# Altium PCB N-CW7Rev00_FrontAndBackHousing.PcbDoc (part 2 of 4) (continued)
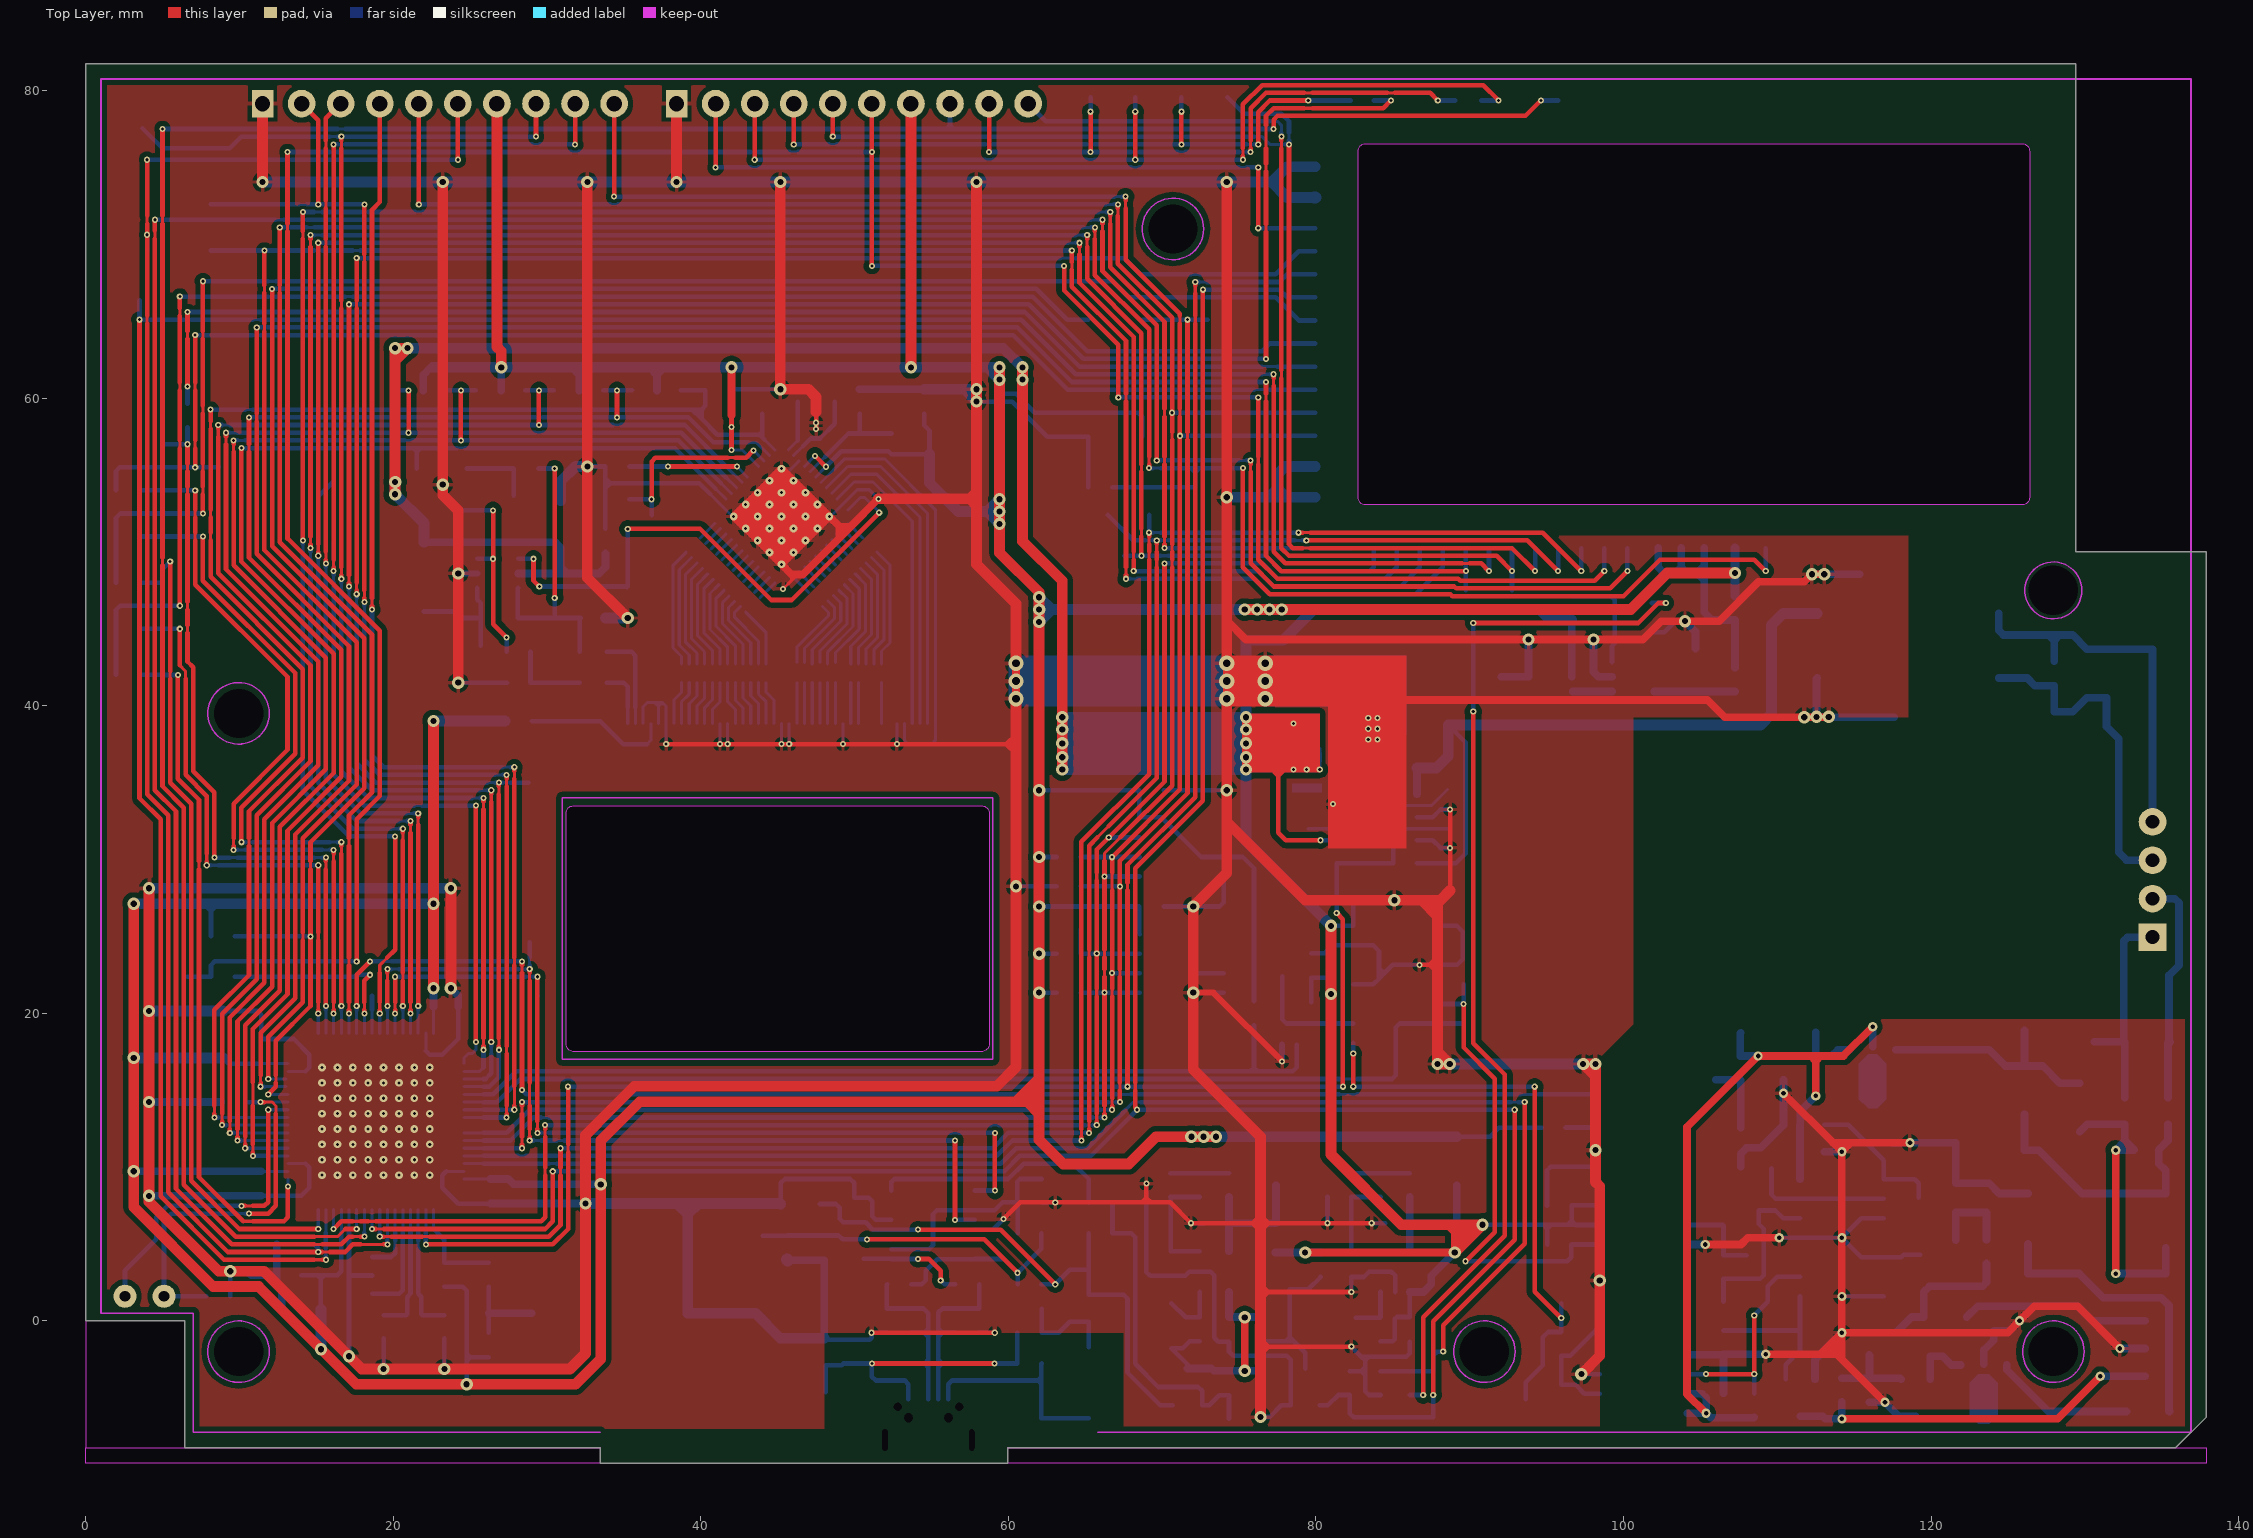
[diagram p0: Top Layer view]
## Nets (pads, with @x,y where several pads share a name; then routed paths per layer and width w, separated by ;. In a path a pad name is that pad's centre, name@x,y a point inside that pad or via, vN(x,y) a via of type N, cw(c..) or ccw(c..) an arc to the next point about the centre after c; other vN are vias at no path point) (continued)
3V3WIFI: C81.2 R106.2 U35.5 | length 5.3
  Bottom Layer w0.5: U35.5@102,40.925 R106.2@107.25,40.925
4V: C16.2 D3.2 R11.2 TP71.1 U5.5 | length 9.1
  Bottom Layer w0.5: U5.5@86.1,4.525 C16.2@86.1,6.35 ; R11.2@86.1,8.05 C16.2@86.1,6.35 ; D3.2@89.15,8.825 TP71.1@89.15,6.35 C16.2@86.1,6.35
4VUSB: C18.2 D4.2 R16.2 TP70.1 U6.5 | length 9.1
  Bottom Layer w0.5: U6.5@74.35,4.525 C18.2@74.35,6.35 ; R16.2@74.35,8.05 C18.2@74.35,6.35 ; D4.2@77.4,8.825 TP70.1@77.4,6.35 C18.2@74.35,6.35
5V: C17.2 C35.1 C36.1 C50.2 C52.1 C61.2 C79.1 C82.2 C83.1 L4.2 Q7.3 R50.1 R94.1 R99.1 R100.2 TP74.1 U5.1 U15.7 U15.8 U17.14 U22.7 U22.8 U22.9 U23.5 U34.5 U35.1 | length 276.2
  Top Layer w0.3: 77.3,35.7 77.55,35.45 ; 77.85,35.75 77.55,35.45 ; v1(78.55,38.85) 77.8,38.85 77.55,38.6 77.55,35.45 ; v1(80.3,31.25) 78.05,31.25 77.55,31.75 77.55,35.45
  Top Layer w0.5: v2(75.45,35.85) v2(75.45,37.55) v2(75.45,38.45) v2(75.45,39.25) ; v2(79.3,4.45) v2(89.025,4.45) 89.025,5.75 88.525,6.25
  Top Layer w0.7: v2(20.125,53.75) v2(20.125,54.55) 20.125,62.45 ; v2(60.925,62) v2(60.925,61.2) 60.925,50.7 63.501,48.124 63.5,48.123 v2(63.5,36.65) v2(63.5,35.85) ; v2(80.975,25.685) v2(80.975,21.25) 80.975,10.825 85.55,6.25 88.525,6.25 v2(90.825,6.25) v2(89.025,4.45) ; 20.125,62.45 v2(20.125,63.25) v2(20.925,63.25) 20.125,62.45
  Bottom Layer w0.2: v1@78.55,35.8 v1(78.55,35.85) U22.7@78.55,37.2 v1@78.55,38.8 ; v1(78.55,38.85) 79.8,38.85 ; v1(79.4,35.85) U22.8@79.4,37.2 ; v1(80.25,35.85) U22.9@80.25,37.2
  Bottom Layer w0.3: U23.5@79.7,20.71 C83.1@79.7,22.3 80.675,22.3 80.975,22 v2(80.975,21.25) ; v1(80.3,31.25) R94.1@81.3,31.25 ; v2(80.975,25.685) U17.14@82.39,25.685 ; U17.14@82.425,25.685 C52.1@82.425,27.35 ; R99.1@84.2,-1.325 85,-1.325 85.125,-1.2 85.125,0.125 85.25,0.25 C17.2@86.1,0.25 U5.1@86.1,1.875 ; v2(90.825,6.25) 94.8,6.25 ; R50.1@95.05,4.95 95.05,6 ; U15.7@98.45,6.235 96.89,6.235 96.875,6.25 ; U15.8@98.45,7.505 96.63,7.505 C50.2@96.625,7.5 96.625,6.5 ; 94.8,6.25 95.05,6 ; 94.8,6.25 95.3,6.25 ; 95.05,6 95.3,6.25 ; 95.3,6.25 96.375,6.25 ; 96.375,6.25 96.625,6.5 ; 96.375,6.25 96.875,6.25 ; 96.625,6.5 96.875,6.25
  Bottom Layer w0.5: L4.2@22,50.625 30.55,50.625 C35.1@30.9,50.275 30.9,49 ; U34.5@28.125,48.6 30.5,48.6 ; C36.1@33.8,49.9 33.8,49 33.4,48.6 31.3,48.6 ; Q7.3@77.35,4.45 v2(79.3,4.45) C79.1@80.3,4.45 ; U5.1@86.1,1.875 87,1.875 87.5,2.375 87.5,2.925 v2(89.025,4.45) ; C82.2@96.625,41.875 R100.2@96.625,45.575 ; C82.2@96.7,40.925 U35.1@99.25,40.925 ; 30.5,48.6 31.3,48.6 ; 30.5,48.6 30.9,49 ; 30.9,49 31.3,48.6
  Bottom Layer w0.7: v2(20.125,54.55) v2(20.125,53.75) 22,51.875 L4.2@22,50.625 ; v2(20.125,63.25) v2(20.925,63.25) 59.675,63.25 v2(60.925,62) v2(60.925,61.2) ; v2(80.975,25.685) 75.45,31.21 v2(75.45,35.85) ; R100.2@96.625,45.575 95.25,45.575 94.575,46.25 79.85,46.25 77.85,44.25 TP74.1@75.45,44.25 v2(75.45,39.25) ; v2(75.45,35.85) v2(75.45,37.55) v2(75.45,38.45) v2(75.45,39.25) ; v2(75.45,35.85) v2(63.5,35.85) v2(63.5,39.25) v2(75.45,39.25)
  other v2: 75.45,36.65 63.5,37.55 63.5,38.45
5VUSB: C19.2 C20.1 C21.2 Q1.3 Q7.2 R19.1 R21.1 TP67.1 U6.1 | length 17.6
  Top Layer w0.5: v2(75.375,-3.25) v2(75.375,0.225)
  Bottom Layer w0.3: Q1.3@71.65,-3.1 71.65,-2.825 TP67.1@70.6,-1.775 71.35,-1.775 71.8,-1.325 R19.1@72.45,-1.325 ; R21.1@76.375,0.25 R21.1@76.4,0.225
  Bottom Layer w0.5: Q1.3@71.65,-3.1 73.2,-3.1 73.35,-3.25 C21.2@74.35,-3.25 v2(75.375,-3.25) C20.1@76.375,-3.25 ; U6.1@74.35,1.875 C19.2@74.35,0.25 R21.1@76.375,0.25 ; R21.1@76.4,0.225 Q7.2@76.4,2.05
5VUSB_CON: M1.A9 Q6.1 R20.2 TP32.1 U1.9 | length 174.5
  Top Layer w0.2: 18.875,5.975 19.375,5.975 ; 68.25,14.975 68.25,15.475
  Top Layer w0.3: v1(18.625,5.975) 18.875,5.975 ; 19.375,5.975 24,5.975 29.875,5.975 30.375,6.475 v1(30.375,9.725) ; 68.25,14.975 68.25,13.85 v1(68.375,13.725) ; 68.25,15.475 68.25,29.425 72.65,33.825 v1(72.65,67.05) ; v1(87.625,-4.825) 87.625,-0.025 92.925,5.275 v1(92.925,13.725)
  Bottom Layer w0.2: v1(18.625,5.975) U1.9@18.625,7.25
  Bottom Layer w0.3: v1(30.375,9.725) 59.75,9.725 60.75,10.725 65.375,10.725 v1(68.375,13.725) v1(92.925,13.725) ; v1(72.65,67.05) 77.625,67.05 78.125,66.55 M1.A9@79.95,66.55 ; Q6.1@80.25,-5.5 80.775,-5.5 81.45,-4.825 R20.2@82.2,-4.825 82.2,-6.025 82.45,-6.275 TP32.1@87.625,-6.275 v1(87.625,-4.825)
10ms: TP191.1 U1.40 | length 2.5
  Bottom Layer w0.2: U1.40@18.625,18.7 18.625,19.975 18.625,20.225
  Bottom Layer w0.3: 18.625,20.225 TP191.1@18.625,21.15
12V: C62.2 R14.2 R48.1 TP166.1 U22.16 U28.2 | length 51.7
  Bottom Layer w0.2: U22.16@82.9,35.4 83.75,35.4
  Bottom Layer w0.3: 83.75,35.4 84.3,35.95 C62.2@85.7,35.95 ; R14.2@86.575,29.75 89.1,29.75 89.725,30.375 89.725,37.625 TP166.1@88.6,38.75
  Bottom Layer w0.5: R48.1@86.575,34.25 C62.2@86.575,35.95
  Bottom Layer w0.7: C62.2@86.575,35.95 87.825,35.95 88.6,36.725 88.6,38.75 108.9,38.75 109.625,39.475 109.625,45.25 110.375,46 U28.2@112.6,46
AP_MODE: M1.C11 TP112.1 U1.61 | length 113.7
  Top Layer w0.2: 64.75,11.975 64.75,12.475 ; 69.15,49.5 69.15,50 ; 69.15,50.5 69.15,51 ; 79.125,51.25 79.65,51.25
  Top Layer w0.3: v1(64.75,11.725) 64.75,11.975 ; 64.75,12.475 64.75,31.15 69.15,35.55 69.15,49.5 ; 69.15,50 69.15,50.5 ; 69.15,51 v1(69.15,51.25) ; v1(78.875,51.25) 79.125,51.25 ; 79.65,51.25 94.75,51.25 v1(97.25,48.75)
  Bottom Layer w0.2: U1.61@24.6,10.725 25.875,10.725 ; 28.125,10.725 28.625,10.725 ; 30.625,10.725 31.125,10.725 ; 69.4,51.25 69.9,51.25
  Bottom Layer w0.3: 25.875,10.725 28.125,10.725 ; 28.625,10.725 30.625,10.725 ; 31.125,10.725 59.25,10.725 60.25,11.725 v1(64.75,11.725) ; TP112.1@69.15,52.4 v1(69.15,51.25) 69.4,51.25 ; 69.9,51.25 v1(78.875,51.25) ; v1(97.25,48.75) M1.C11@97.25,50.25
BOOT0: R3.2 SW1A.2 TP48.1 U1.60 | length 105.1
  Top Layer w0.2: 28.375,11.475 28.375,11.975 ; 28.375,13.475 28.375,13.975 ; 67.25,14.975 67.25,15.475 ; 67.25,22.36 67.25,22.86 ; 71.65,57.3 71.65,57.8
  Top Layer w0.3: v1(28.375,11.225) 28.375,11.475 ; 28.375,11.975 28.375,13.475 ; 28.375,13.975 v1(28.375,14.225) ; v1(67.25,14.225) 67.25,14.975 ; 67.25,15.475 67.25,22.36 ; 67.25,22.86 67.25,29.9 71.65,34.3 71.65,55.7 71.65,57.3 ; 71.65,57.8 71.65,59.3 71.65,59.8 v1(71.65,65.1)
  Bottom Layer w0.2: U1.60@24.6,11.225 25.875,11.225 ; 66.5,14.225 67,14.225
  Bottom Layer w0.3: 25.875,11.225 v1(28.375,11.225) ; v1(28.375,14.225) 66.5,14.225 ; R3.2@64.7,28.25 v1(67.25,28.25) ; 67,14.225 v1(67.25,14.225) ; SW1A.2@68.7,65.1 v1(71.65,65.1) TP48.1@72.95,65.1
BOOT1: R4.1 SW1B.1 TP19.1 U1.28 | length 117.6
  Top Layer w0.2: 12.375,15.475 12.375,15.975 ; 14.625,29.375 14.625,29.875
  Top Layer w0.3: v1(11.875,14.725) 12.375,15.225 12.375,15.475 ; v1(12.125,67.1) 12.125,50.375 18.125,44.375 18.125,34.625 14.625,31.125 14.625,29.875 ; 12.375,15.975 12.375,18.225 14.625,20.475 v1(14.625,25) 14.625,29.375
  Bottom Layer w0.2: v1(11.875,14.725) U1.28@13.15,14.725
  Bottom Layer w0.3: R4.1@9.7,25 TP19.1@11.25,25 v1(14.625,25) ; v1(12.125,67.1) 61.825,67.1 63.825,65.1 SW1B.1@65.2,65.1
CC_IO00_SPARE: M1.C10 TP98.1 U1.8 | length 126.3
  Top Layer w0.2: 19.375,5.475 19.875,5.475 ; 21.875,5.475 22.375,5.475 ; 30.875,9.475 30.875,9.975 ; 65.25,12.475 65.25,12.975 ; 65.25,23.63 65.25,24.13 ; 65.78,31.43 66.53,32.18 ; 69.65,49 69.65,49.5 ; 69.65,50 69.65,50.5
  Top Layer w0.3: v1(19.125,5.475) 19.375,5.475 ; 19.875,5.475 21.875,5.475 ; 22.375,5.475 30.125,5.475 30.875,6.225 30.875,9.475 ; 30.875,9.975 v1(30.875,11.225) ; v1(65.25,12.225) 65.25,12.475 ; 65.25,12.975 65.25,23.63 ; 65.25,24.13 65.25,30.9 65.78,31.43 ; 66.53,32.18 69.65,35.3 69.65,49 ; 69.65,49.5 69.65,50 ; 69.65,50.5 v1(69.65,50.75) ; v1(79.375,50.75) 93.75,50.75 v1(95.75,48.75)
  Bottom Layer w0.2: 19.125,5.725 U1.8@19.125,7.25 ; 56.28,11.225 56.78,11.225 ; 64.5,12.225 65,12.225 ; 68.9,50.75 69.4,50.75 ; 69.9,50.75 70.4,50.75 ; 78.625,50.75 79.125,50.75
  Bottom Layer w0.3: v1(19.125,5.475) 19.125,5.725 ; v1(30.875,11.225) 31.625,11.225 56.28,11.225 ; 56.78,11.225 59,11.225 60,12.225 64.5,12.225 ; 65,12.225 v1(65.25,12.225) ; TP98.1@66.475,52.4 68.125,50.75 68.9,50.75 ; 69.4,50.75 v1(69.65,50.75) 69.9,50.75 ; 70.4,50.75 71.9,50.75 78.625,50.75 ; 79.125,50.75 v1(79.375,50.75) ; v1(95.75,48.75) M1.C10@95.75,50.25
CC_IO03_SPARE: M1.C7 TP97.1 U1.15 | length 177.8
  Top Layer w0.2: 14.875,3.975 15.375,3.975 ; 77.25,60.8 77.25,61.3 ; 89.5,49.25 90,49.25
  Top Layer w0.3: v1(3.5,65.1) 3.5,34 4.875,32.625 4.875,22.225 4.875,8.1 9,3.975 14.875,3.975 ; 15.375,3.975 v1(15.625,3.975) ; 77.25,60.8 77.25,56.2 77.25,50 78,49.25 ; 77.25,61.3 v1(77.25,61.55) ; 78.425,49.25 78,49.25 ; 89.5,49.25 78,49.25 ; 90,49.25 90.75,49.25 v1(91.25,48.75)
  Bottom Layer w0.2: 6.375,65.1 6.875,65.1 ; 10.875,65.1 11.375,65.1 ; 15.625,4.225 15.625,4.725 ; 15.625,5.725 U1.15@15.625,7.25 ; 76.5,61.55 77,61.55
  Bottom Layer w0.3: TP97.1@3.5,66.375 v1(3.5,65.1) 6.375,65.1 ; 6.875,65.1 10.875,65.1 ; 11.375,65.1 60.825,65.1 64.375,61.55 76.5,61.55 ; v1(15.625,3.975) 15.625,4.225 ; 15.625,4.725 15.625,5.725 ; 77,61.55 v1(77.25,61.55) ; v1(91.25,48.75) M1.C7@91.25,50.25
CC_IO04_SPARE: M1.C6 TP96.1 U1.29 | length 151
  Top Layer w0.2: 11.125,58.5 11.125,59 ; 11.375,15.475 11.375,15.975 ; 76.75,59.8 76.75,60.3
  Top Layer w0.3: 11.125,58.5 11.125,49.875 17.125,43.875 17.125,35.125 13.625,31.625 13.625,20.975 11.375,18.725 11.375,15.975 ; 11.125,59 v1(11.125,64.6) ; v1(11.375,15.225) 11.375,15.475 ; 76.75,59.8 76.75,49.75 77.75,48.75 ; 76.75,60.3 v1(76.75,61.05) ; 78.275,48.75 77.75,48.75 ; v1(89.75,48.75) 77.75,48.75
  Bottom Layer w0.2: 11.625,15.225 11.875,15.225 U1.29@13.025,15.225
  Bottom Layer w0.3: v1(11.125,64.6) 60.575,64.6 64.125,61.05 ; v1(11.375,15.225) 11.625,15.225 ; 64.125,61.05 v1(76.75,61.05) ; TP96.1@89.75,47.5 v1(89.75,48.75) M1.C6@89.75,50.25
CC_IO05_SPARE: M1.C5 TP95.1 U1.30 | length 161.7
  Top Layer w0.2: 11.625,64.35 11.625,64.85 ; 11.625,66.85 11.625,67.35 ; 14.125,24.75 14.125,25.25 ; 64.125,68.35 64.125,68.85 ; 67.65,48.5 67.65,49 ; 67.65,59.8 67.65,60.3
  Top Layer w0.3: 11.625,64.35 11.625,50.125 17.625,44.125 17.625,34.875 14.125,31.375 14.125,25.25 ; 11.625,64.85 11.625,66.85 ; 11.625,67.35 v1(11.625,69.6) ; v1(11.875,15.725) 11.875,18.475 14.125,20.725 14.125,24.75 ; 64.125,68.35 64.125,67.25 67.65,63.725 67.65,60.3 ; 64.125,68.85 v1(64.125,69.6) ; v1(67.65,48.25) 67.65,48.5 ; 67.65,49 67.65,59.8
  Bottom Layer w0.2: v1(11.875,15.725) U1.30@13.025,15.725 ; 14.875,69.6 15.375,69.6 ; 17.375,69.6 17.875,69.6 ; 67.9,48.25 68.4,48.25
  Bottom Layer w0.3: TP95.1@8.125,69.6 v1(11.625,69.6) 14.875,69.6 ; 15.375,69.6 17.375,69.6 ; 17.875,69.6 v1(64.125,69.6) ; v1(67.65,48.25) 67.9,48.25 ; 68.4,48.25 76,48.25 77,47.25 86.5,47.25 88.25,49 M1.C5@88.25,50.25
CC_IO06_SPARE: M1.C4 TP94.1 U1.45 | length 154.3
  Top Layer w0.2: 15.125,50 15.125,50.5 ; 21.125,20.225 21.125,20.725 ; 21.125,31.75 21.125,32.25 ; 64.625,69.35 64.625,69.85 ; 68.15,49.5 68.15,50
  Top Layer w0.3: v1(15.125,49.75) 15.125,50 ; 15.125,50.5 v1(15.125,70.1) ; v1(21.125,19.975) 21.125,20.225 ; 21.125,20.725 21.125,31.75 ; 21.125,32.25 v1(21.125,32.5) ; 64.625,69.35 64.625,67.5 68.15,63.975 68.15,50 ; 64.625,69.85 v1(64.625,70.1) ; v1(68.15,48.75) 68.15,49.5
  Bottom Layer w0.2: 15.125,49 15.125,49.5 ; 15.125,50 15.125,50.5 ; 20.375,32.5 20.875,32.5 ; U1.45@21.125,18.7 v1(21.125,19.975) ; 63.875,70.1 64.375,70.1 ; 69.9,48.75 70.4,48.75
  Bottom Layer w0.3: 15.125,49 15.125,35 17.625,32.5 20.375,32.5 ; 15.125,49.5 v1(15.125,49.75) 15.125,50 ; 15.125,50.5 15.125,53.6 TP94.1@16.125,54.6 ; v1(15.125,70.1) 63.875,70.1 ; 20.875,32.5 v1(21.125,32.5) ; 64.375,70.1 v1(64.625,70.1) ; v1(68.15,48.75) 69.9,48.75 ; 70.4,48.75 76.25,48.75 77.25,47.75 85.5,47.75 86.75,49 M1.C4@86.75,50.25
CC_IO08_SPARE: M1.C2 TP93.1 U1.44 | length 147.1
  Top Layer w0.2: 14.625,50.5 14.625,51 ; 14.625,69.85 14.625,70.35 ; 20.625,22.125 20.625,22.625 ; 20.625,31.25 20.625,31.75 ; 65.125,69.85 65.125,70.35 ; 68.65,51 68.65,51.5 ; 68.65,55.2 68.65,55.7
  Top Layer w0.3: v1(14.625,50.25) 14.625,50.5 ; 14.625,51 14.625,69.85 ; 14.625,70.35 v1(14.625,70.6) ; v1(20.625,20.475) 20.625,22.125 ; 20.625,22.625 20.625,31.25 ; 20.625,31.75 v1(20.625,32) ; 65.125,69.85 65.125,67.75 68.65,64.225 68.65,55.7 ; 65.125,70.35 v1(65.125,70.6) ; v1(68.65,49.75) 68.65,51 ; 68.65,51.5 68.65,55.2
  Bottom Layer w0.2: 14.625,49.5 14.625,50 ; 14.875,70.6 15.375,70.6 ; 19.875,32 20.375,32 ; U1.44@20.625,18.7 20.625,20.225 ; 64.375,70.6 64.875,70.6 ; 69.9,49.75 70.4,49.75
  Bottom Layer w0.3: 14.625,49.5 14.625,34.75 17.375,32 19.875,32 ; 14.625,50 v1(14.625,50.25) ; v1(14.625,70.6) 14.875,70.6 ; 15.375,70.6 64.375,70.6 ; 20.375,32 v1(20.625,32) ; 20.625,20.225 v1(20.625,20.475) ; 64.875,70.6 v1(65.125,70.6) ; TP93.1@67.55,49.75 v1(68.65,49.75) 69.9,49.75 ; 70.4,49.75 76.75,49.75 77.75,48.75 83.5,48.75 83.75,49 M1.C2@83.75,50.25
CC_IO09_SPARE: M1.C1 TP92.1 U1.41 | length 147.8
  Top Layer w0.2: 14.125,70.35 14.125,70.85 ; 19.125,20.225 19.125,20.725 ; 19.125,22.625 19.125,23.125 19.625,23.625 ; 66.625,71.35 66.625,71.85 ; 70.15,50.5 70.15,51 ; 70.15,55.7 70.15,56.2 ; 70.15,58.8 70.15,59.3
  Top Layer w0.3: v1(14.125,50.75) 14.125,70.35 ; 14.125,70.85 v1(14.125,72.1) ; v1(19.125,19.975) 19.125,20.225 ; 19.125,20.725 19.125,22.625 ; 19.625,23.625 20.125,24.125 20.125,30.75 v1(20.125,31.5) ; 66.625,71.35 66.625,68.5 70.15,64.975 70.15,59.3 ; 66.625,71.85 v1(66.625,72.1) ; v1(70.15,50.25) 70.15,50.5 ; 70.15,51 70.15,55.7 ; 70.15,56.2 70.15,58.8
  Bottom Layer w0.2: 14.125,50 14.125,50.5 ; 14.875,72.1 15.375,72.1 ; 17.875,72.1 18.375,72.1 ; U1.41@19.125,18.7 v1(19.125,19.975) ; 21.415,72.1 21.915,72.1 ; 65.875,72.1 66.375,72.1 ; 79.125,50.25 79.625,50.25
  Bottom Layer w0.3: 14.125,50 14.125,34.5 17.125,31.5 v1(20.125,31.5) ; 14.125,50.5 v1(14.125,50.75) TP92.1@14.125,52.6 ; v1(14.125,72.1) 14.875,72.1 ; 15.375,72.1 17.875,72.1 ; 18.375,72.1 21.415,72.1 ; 21.915,72.1 65.875,72.1 ; 66.375,72.1 v1(66.625,72.1) ; v1(70.15,50.25) 79.125,50.25 ; 79.625,50.25 M1.C1@82.25,50.25
CC_IO22_SPARE: M1.A11 TP89.1 U1.52 | length 129.6
  Top Layer w0.2: 17.625,47.5 17.625,48 ; 17.625,65.85 17.625,66.35 ; 26.875,17.875 26.875,18.375 ; 26.875,34.25 26.875,34.75
  Top Layer w0.3: v1(17.625,47.25) 17.625,47.5 ; 17.625,48 17.625,65.85 ; 17.625,66.35 v1(17.625,69.1) ; v1(26.875,17.625) 26.875,17.875 ; 26.875,18.375 26.875,34.25 ; 26.875,34.75 v1(26.875,35)
  Bottom Layer w0.2: 17.625,46.5 17.625,47 ; U1.52@24.6,15.225 25.875,15.225 ; 26.125,35 26.625,35 ; 27.125,35 27.625,35 ; 50.875,69.1 51.375,69.1 ; 63.375,69.1 63.875,69.1 64.375,69.1 ; 71.9,68.05 72.4,68.05
  Bottom Layer w0.3: 17.625,46.5 17.625,36.25 18.875,35 26.125,35 ; 17.625,47 v1(17.625,47.25) ; v1(17.625,69.1) 50.875,69.1 ; 25.875,15.225 26.25,15.225 26.875,15.85 v1(26.875,17.625) ; 26.625,35 v1(26.875,35) 27.125,35 ; 27.625,35 TP89.1@28.8,35 ; 51.375,69.1 63.375,69.1 ; 64.375,69.1 67.525,69.1 68.575,68.05 71.9,68.05 ; 72.4,68.05 77.375,68.05 78.875,69.55 M1.A11@79.95,69.55
CC_IO28_SPARE: M1.B2 TP88.1 U1.51 | length 148.7
  Top Layer w0.2: 17.125,48 17.125,48.5 ; 26.375,33.75 26.375,34.25 ; 76.75,70.8 76.75,71.3 ; 76.75,74.75 76.75,75.25 ; 76.75,76.25 76.75,77.75 ; 79.25,78.85 79.75,78.85
  Top Layer w0.3: v1(17.125,47.75) 17.125,48 ; 17.125,48.5 v1(17.125,66.1) ; v1(26.375,18.125) 26.375,33.75 ; 26.375,34.25 v1(26.375,34.5) ; v1(76.75,62.55) 76.75,70.8 ; 76.75,71.3 76.75,74.75 ; 76.75,75.25 76.75,76.25 ; 76.75,77.75 76.75,78.35 77.25,78.85 79.25,78.85 ; 79.75,78.85 84.375,78.85 v1(84.875,79.35)
  Bottom Layer w0.2: 17.125,47 17.125,47.5 ; U1.51@24.6,15.725 25.875,15.725 ; 25.625,34.5 26.125,34.5 ; 26.375,17.375 26.375,17.875 ; 26.375,33.75 26.375,34.25
  Bottom Layer w0.3: 17.125,47 17.125,36 18.625,34.5 25.625,34.5 ; 17.125,47.5 v1(17.125,47.75) ; v1(17.125,66.1) 61.325,66.1 64.875,62.55 v1(76.75,62.55) ; 25.875,15.725 26,15.725 26.375,16.1 26.375,17.375 ; 26.125,34.5 v1(26.375,34.5) 26.375,34.25 ; 26.375,17.875 v1(26.375,18.125) ; TP88.1@26.375,32.65 26.375,33.75 ; M1.B2@83.75,79.35 v1(84.875,79.35)
CC_JTAG_TCK: CN1W.9 M1.B3 TP121.1 | length 40.5
  Top Layer w0.2: 75.75,76.25 75.75,76.75 ; 79.25,79.85 79.75,79.85 ; 84.625,79.85 85.125,79.85
  Top Layer w0.3: v1(58.745,76) CN1W.9@58.745,79.15 ; v1(65.35,76) v1(65.35,78.625) ; v1(75.75,76) 75.75,76.25 ; 75.75,76.75 75.75,78.85 76.75,79.85 79.25,79.85 ; 79.75,79.85 84.625,79.85 ; 85.125,79.85 87.425,79.85 v1(87.925,79.35)
  Bottom Layer w0.2: 68,76 68.5,76 ; 71,76 71.5,76 ; 75,76 75.5,76
  Bottom Layer w0.3: v1(58.745,76) v1(65.35,76) 68,76 ; v1(65.35,78.625) TP121.1@65.35,79.575 ; 68.5,76 71,76 ; 71.5,76 75,76 ; 75.5,76 v1(75.75,76) ; v1(87.925,79.35) M1.B3@89.05,79.35
CC_JTAG_TDI: CN1W.2 M1.A12 TP115.1 | length 47.1
  Top Layer w0.3: v1(40.965,75) CN1W.2@40.965,79.15 ; v1(76.25,71.05) v1(76.25,75)
  Bottom Layer w0.2: 43.255,75 43.755,75 ; 68,75 68.5,75 ; 75,75 75.5,75
  Bottom Layer w0.3: v1(40.965,75) 43.255,75 ; 43.755,75 68,75 ; 68.5,75 75,75 ; 75.5,75 v1(76.25,75) ; v1(76.25,71.05) TP115.1@77.85,71.05 M1.A12@79.95,71.05
CC_JTAG_TDO: CN1W.4 M1.B1 TP117.1 | length 44.3
  Top Layer w0.3: v1(46.045,76.5) CN1W.4@46.045,79.15 ; v1(71.25,76.5) v1(71.25,78.625) ; v1(76.25,76.5) 76.25,78.6 77,79.35 v1(79.5,79.35)
  Bottom Layer w0.2: 48.335,76.5 48.835,76.5 ; 50.875,76.5 51.375,76.5 ; 58.5,76.5 58.995,76.5 ; 65.1,76.5 65.6,76.5 ; 75.5,76.5 76,76.5
  Bottom Layer w0.3: v1(46.045,76.5) 47.065,76.5 48.335,76.5 ; 48.835,76.5 50.875,76.5 ; 51.375,76.5 58.5,76.5 ; 58.995,76.5 65.1,76.5 ; 65.6,76.5 v1(71.25,76.5) 75.5,76.5 ; v1(71.25,78.625) TP117.1@71.25,79.575 ; 76,76.5 v1(76.25,76.5) ; v1(79.5,79.35) M1.B1@82.25,79.35
CC_JTAG_TMS: CN1W.3 M1.B4 TP116.1 | length 61.7
  Top Layer w0.2: 75.25,75.75 75.25,76.25
  Top Layer w0.3: v1(43.505,75.5) CN1W.3@43.505,79.15 ; v1(68.25,75.5) v1(68.25,78.625) ; v1(75.25,75.5) 75.25,75.75 ; 75.25,76.25 75.25,79.1 76.5,80.35 90.875,80.35 v1(91.875,79.35)
  Bottom Layer w0.2: 50.875,75.5 51.375,75.5 ; 58.495,75.5 58.99,75.5 ; 65.1,75.5 65.6,75.5
  Bottom Layer w0.3: v1(43.505,75.5) 50.875,75.5 ; 51.375,75.5 58.495,75.5 ; 58.995,75.5 65.1,75.5 ; 65.6,75.5 v1(68.25,75.5) v1(75.25,75.5) ; v1(68.25,78.625) TP116.1@68.25,79.575 ; M1.B4@90.75,79.35 v1(91.875,79.35)
CC_PGM: CN1W.8 M1.B5 TP120.1 U1.11 | length 177.3
  Top Layer w0.2: 5,49.125 5,49.625 ; 5,71.35 5,71.85 ; 14.875,5.475 16.375,5.475 16.875,5.975
  Top Layer w0.3: 5,49.125 5,34.75 6.375,33.375 6.375,8.85 9.75,5.475 14.875,5.475 ; 5,49.625 5,71.35 ; 5,71.85 v1(5,77.5) ; 16.875,5.975 v1(17.625,5.975) ; v1(77.25,77.5) 77.25,78.1 77.5,78.35 93.625,78.35 v1(94.625,79.35)
  Bottom Layer w0.2: 16.375,77.5 16.875,77.5 ; v1(17.625,5.975) U1.11@17.625,7.25 ; 29.035,77.5 29.535,77.5 ; 48.335,77.5 48.835,77.5
  Bottom Layer w0.3: v1(5,77.5) TP120.1@8.125,77.5 16.375,77.5 ; 16.875,77.5 29.035,77.5 ; 29.535,77.5 48.335,77.5 ; 48.835,77.5 55.95,77.5 ; CN1W.8@56.205,79.15 56.205,77.755 ; v1(77.25,77.5) 56.46,77.5 ; v1(94.625,79.35) M1.B5@95.75,79.35 ; 55.95,77.5 56.46,77.5 ; 55.95,77.5 56.205,77.755 ; 56.205,77.755 56.46,77.5
CC_RST#: CN1W.6 M1.C12 R103.1 TP119.1 | length 183.1
  Top Layer w0.2: 13.125,70.85 13.125,71.35 ; 76.25,55.7 76.25,56.2
  Top Layer w0.3: 13.125,70.85 13.125,50.875 19.125,44.875 19.125,34.125 17.625,32.625 v1(17.625,23.375) ; 13.125,71.35 v1(13.125,76) ; v1(51.125,68.6) v1(51.125,76) CN1W.6@51.125,79.15 ; v1(63.625,68.6) 63.625,67 67.15,63.475 v1(67.15,60.05) ; 76.25,55.7 76.25,49.5 77.5,48.25 89.25,48.25 89.375,48.125 98.125,48.125 v1(98.75,48.75) ; 76.25,56.2 v1(76.25,60.05)
  Bottom Layer w0.2: 15.875,76 16.375,76 ; 23.955,76 24.455,76 ; 31.575,76 32.075,76 ; 43.255,76 43.755,76 ; 45.795,76 46.295,76
  Bottom Layer w0.3: TP119.1@6.6,22.375 R103.1@8.15,22.375 8.15,23.125 8.4,23.375 v1(17.625,23.375) ; v1(13.125,76) 15.875,76 ; 16.375,76 23.955,76 ; 24.455,76 31.575,76 ; 32.075,76 43.255,76 ; 43.755,76 45.795,76 ; 46.295,76 v1(51.125,76) ; v1(51.125,68.6) v1(63.625,68.6) ; v1(67.15,60.05) v1(76.25,60.05) ; v1(98.75,48.75) M1.C12@98.75,50.25
CC_SWD: M1.C13 TP114.1 U1.10 | length 199.9
  Top Layer w0.2: 4.5,70.375 4.5,70.875 ; 14.85,4.975 15.375,4.975 ; 17.375,5.475 17.875,5.475 ; 66.125,70.85 66.125,71.35 ; 75.75,55.2 75.75,55.7
  Top Layer w0.3: 4.5,70.375 4.5,34.5 5.875,33.125 5.875,8.6 9.5,4.975 14.85,4.975 ; 4.5,70.875 v1(4.5,71.6) ; 15.375,4.975 16.625,4.975 17.125,5.475 17.375,5.475 ; 17.875,5.475 v1(18.125,5.475) ; 66.125,70.85 66.125,68.25 69.65,64.725 v1(69.65,55.95) ; 66.125,71.35 v1(66.125,71.6) ; 75.75,55.2 75.75,49.25 77.25,47.75 ; 75.75,55.7 v1(75.75,55.95) ; 77.675,47.75 77.25,47.75 ; v1(100.25,48.75) 99.125,47.625 89.125,47.625 89,47.75 77.25,47.75
  Bottom Layer w0.2: 12.375,71.6 12.875,71.6 ; 13.875,71.6 14.375,71.6 ; 18.125,5.725 U1.10@18.125,7.25 ; 65.375,71.6 65.875,71.6 ; 66.125,70.85 66.125,71.35 ; 75,55.95 75.5,55.95
  Bottom Layer w0.3: v1(4.5,71.6) 12.375,71.6 ; 12.875,71.6 13.875,71.6 ; 14.375,71.6 65.375,71.6 ; v1(18.125,5.475) 18.125,5.725 ; 65.875,71.6 v1(66.125,71.6) 66.125,71.35 ; TP114.1@66.125,70.1 66.125,70.85 ; v1(69.65,55.95) 75,55.95 ; 75.5,55.95 v1(75.75,55.95) ; v1(100.25,48.75) M1.C13@100.25,50.25
EEP_WC#: M1.C3 R9.1 TP25.1 U1.14 U2.7 U3.7 | length 120.2
  Top Layer w0.2: 17.375,6.475 17.875,6.475 ; 18.375,6.475 18.875,6.475 ; 29.875,9.475 29.875,9.975 ; 29.875,11.975 29.875,12.475 ; 65.75,12.975 65.75,13.475 ; 65.75,21.09 65.75,21.59 ; 65.75,28.64 65.75,29.14
  Top Layer w0.3: v1(16.125,5.975) 16.625,6.475 17.375,6.475 ; 17.875,6.475 18.375,6.475 ; 18.875,6.475 23.75,6.475 29.625,6.475 29.875,6.725 ; 29.875,6.875 29.875,6.725 ; 29.875,9.475 29.875,6.725 ; 29.875,9.975 29.875,11.975 ; 29.875,12.475 v1(29.875,12.725) ; v1(65.75,12.725) 65.75,12.975 ; 65.75,13.475 65.75,21.09 ; 65.75,21.59 65.75,28.64 ; 65.75,29.14 65.75,30.65 70.15,35.05 v1(70.15,49.25)
  Bottom Layer w0.2: v1(16.125,5.975) U1.14@16.125,7.25 ; 58.87,12.725 59.37,12.725 ; 65,12.725 65.5,12.725
  Bottom Layer w0.3: v1(29.875,12.725) 58.87,12.725 ; 59.37,12.725 65,12.725 ; TP25.1@64.7,25.455 R9.1@64.7,23.88 U2.7@68.55,23.88 ; 65.5,12.725 v1(65.75,12.725) ; v1(66.53,31.43) U3.7@68.55,31.43 ; v1(70.15,49.25) 76.5,49.25 77.5,48.25 84.5,48.25 85.25,49 M1.C3@85.25,50.25
  other v1: 65.75,23.88
FT800_B2: CN3.23 L17.8 | length 2.7
  Bottom Layer w0.2: CN3.23@46.25,38.85 L17.8@46.25,41.5
FT800_B3: CN3.24 L17.7 | length 2.7
  Bottom Layer w0.2: CN3.24@46.75,38.85 L17.7@46.75,41.5
FT800_B4: CN3.25 L17.6 | length 2.7
  Bottom Layer w0.2: CN3.25@47.25,38.85 L17.6@47.25,41.5
FT800_B5: CN3.26 L17.5 | length 2.7
  Bottom Layer w0.2: CN3.26@47.75,38.85 L17.5@47.75,41.5
FT800_B6: CN3.27 L16.8 | length 2.7
  Bottom Layer w0.2: CN3.27@48.25,38.85 L16.8@48.25,41.5
FT800_B7: CN3.28 L16.7 | length 2.7
  Bottom Layer w0.2: CN3.28@48.75,38.85 L16.7@48.75,41.5
FT800_CS#: R84.2 TP09.1 U1.24 U8.6 | length 94.4
  Top Layer w0.2: 8.625,57.5 8.625,58 ; 8.875,12.975 8.875,13.475
  Top Layer w0.3: 8.625,57.5 8.625,48.625 14.625,42.625 14.625,36.375 11.125,32.875 11.125,22.225 8.875,19.975 8.875,13.475 ; 8.625,58 v1(8.625,58.25) ; v1(8.875,12.725) 8.875,12.975 ; v1(29.475,58.25) v1(29.475,60.5)
  Bottom Layer w0.2: 8.875,58.25 9.375,58.25 ; 9.125,12.725 U1.24@13.15,12.725 ; 10.375,58.25 10.875,58.25 ; 20.75,58.25 21.25,58.25 ; 34.3,58.25 34.8,58.25 ; 41.65,55.546 U8.6@42.687,54.51
  Bottom Layer w0.3: v1(8.625,58.25) 8.875,58.25 ; v1(8.875,12.725) 9.125,12.725 ; 9.375,58.25 10.375,58.25 ; 10.875,58.25 20.75,58.25 ; 21.25,58.25 v1(29.475,58.25) 34.3,58.25 ; R84.2@28.575,60.5 v1(29.475,60.5) TP09.1@30.45,60.5 ; 34.8,58.25 38.946,58.25 41.65,55.546
FT800_DE: CN3.34 L15.5 | length 2.7
  Bottom Layer w0.2: CN3.34@51.75,38.85 L15.5@51.75,41.5
FT800_DISP: CN3.31 L15.8 | length 2.7
  Bottom Layer w0.2: CN3.31@50.25,38.85 L15.8@50.25,41.5